# Altium PCB 2024001 A Soutra Plainsong Metronome_PCB.PcbDoc (part 1 of 2) (continued)
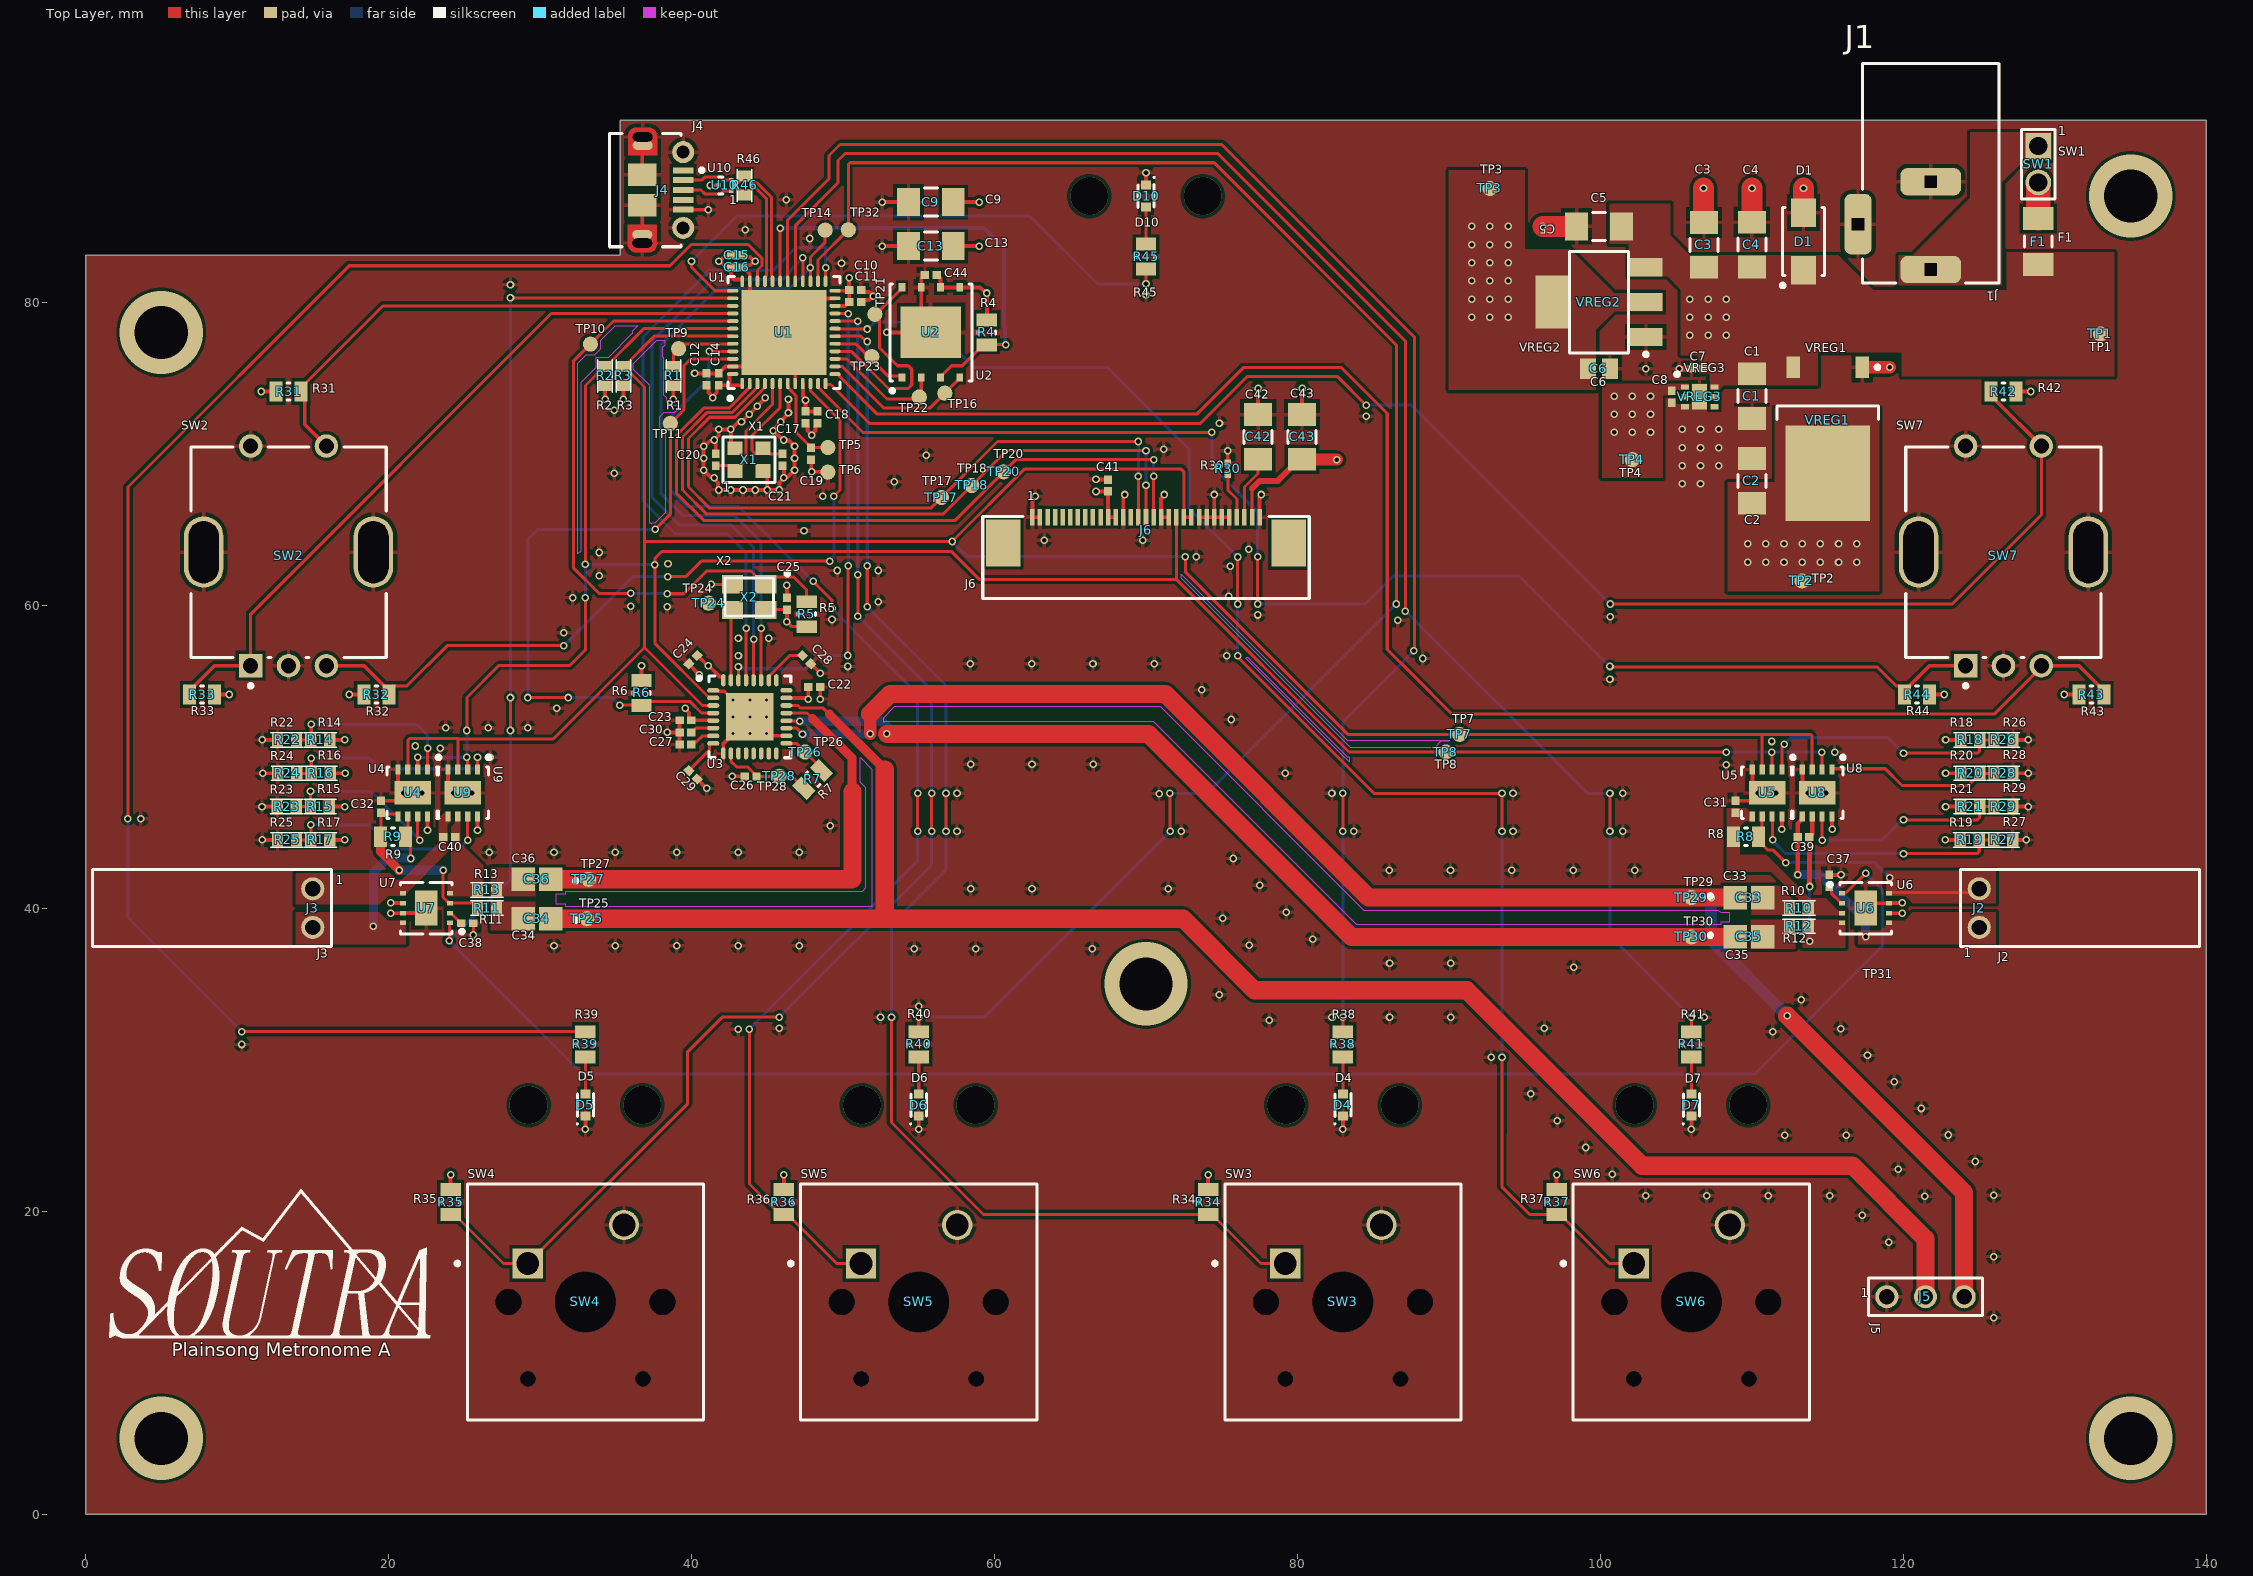
[diagram p0: Top Layer view]
## Components (designator, comment, footprint, x,y, rotation, side; value= is the part's Value field where it differs from the comment) (continued)
TP17 "TP_CIRCLE_R1" TP_CIRCLE_R1#1 56.5,67.1 r0 top
TP18 "TP_CIRCLE_R1" TP_CIRCLE_R1#1 58.5,67.9 r0 top
TP19 "TP_CIRCLE_R1" TP_CIRCLE_R1#2 60.6,78.4 r0 top
TP20 "TP_CIRCLE_R1" TP_CIRCLE_R1#1 60.6,68.8 r90 top
TP21 "TP_CIRCLE_R1" TP_CIRCLE_R1#1 52.1,79.2 r0 top
TP22 "TP_CIRCLE_R1" TP_CIRCLE_R1#1 55.033,73.733 r0 top
TP23 "TP_CIRCLE_R1" TP_CIRCLE_R1#1 51.9,76.4 r90 top
TP24 "TP_CIRCLE_R1" TP_CIRCLE_R1#1 41.125,60.125 r90 top
TP25 "TP_CIRCLE_R1" TP_CIRCLE_R1#1 33.1,39.3 r0 top
TP26 "TP_CIRCLE_R1" TP_CIRCLE_R1#1 47.5,50.3 r0 top
TP27 "TP_CIRCLE_R1" TP_CIRCLE_R1#1 33.2,41.9 r0 top
TP28 "TP_CIRCLE_R1" TP_CIRCLE_R1#1 45.8,48.7 r90 top
TP29 "TP_CIRCLE_R1" TP_CIRCLE_R1#1 106,40.7 r0 top
TP30 "TP_CIRCLE_R1" TP_CIRCLE_R1#1 106,38.1 r0 top
TP31 "TP_CIRCLE_R1" TP_CIRCLE_R1#2 116.65,35.475 r0 top
TP32 "TP_CIRCLE_R1" TP_CIRCLE_R1#1 50.35,84.775 r90 top
U1 "STM32F401CBU7" UFQFPN50P700X700X60_HS-49L 46.1,78 r90 top
U2 "AT45DB641E-MHN-Y" QFN127P600X500X60_HS-9L 55.8,78 r90 top
U3 "" QFN50P500X500X80_HS-33M 43.85,52.625 r0 top
U4 "MCP4542T-103E/MF" DFN-MF8 21.6,47.6 r270 top
U5 "MCP4542T-103E/MF" DFN-MF8 111,47.6 r270 top
U6 "MAX9716ETA+T" TDFN300X300X80_HS-9L 117.5,40 r0 top
U7 "MAX9716ETA+T" TDFN300X300X80_HS-9L 22.5,40 r180 top
U8 "MCP4542T-103E/MF" DFN-MF8 114.3,47.6 r270 top
U9 "MCP4542T-103E/MF" DFN-MF8 24.9,47.6 r270 top
U10 "TPD2EUSB30ADRTR" DRT0003A 42.2,87.7 r180 top
VREG1 "TLE4284DV50ATMA1" TO252-3-11_L 115,71 r270 top
VREG2 "AZ1117CH-3.3TRG1" SOT230P700X180-4L 99.9,80 r180 top
VREG3 "AP7370-18FDC-7" U-DFN2020EP65P201X201X63_HS-7L 106.54,73.75 r0 top
X1 "MCSJK-7E-24.00-8-10-60-B-10" OSCSC1-85x1-55P2-55X2-05Y0-05_4MFR 43.8,69.6 r90 top value=24MHz
X2 "MCSJK-3N-12.288-3.3-50-C" X_MULTICOMP_MCSJK-3N-12.288-3.3-50-C 43.8,60.525 r180 top

## Footprints (in the part's own frame and the unit in brackets; to place one, negate y for a bottom-side part, rotate by r counter-clockwise, add the part's x,y. Pads: shape width x height; smd on the part's side, far side on the other; paste and mask are expansions set on the pad)
1050170001_USB-MICRO-B_V [mm] "USB, MICRO B, Body 7.491x4.695 mm, Pitch 0.65 mm"
  rect 0.4x1.35 smd mask+0.05: 1(-1.3,1.35) 2(-0.65,1.35) 3(0,1.35) 4(0.65,1.35) 5(1.3,1.35)
  round 1.45 hole 0.85 mask+0.05: 6(-2.5,1.35) 7(2.5,1.35)
  oval 0.625x1.325 hole 0.6 slot 1.3 at 90 deg copper offset 0.55,0 mask+0.05: 8(-3.5,-1.325)
  rect 1.5x1.9 smd mask+0.05: 9(-1,-1.35) 10(1,-1.35)
  oval 0.625x1.325 hole 0.6 slot 1.3 at 90 deg copper offset -0.55,0 mask+0.05: 11(3.5,-1.35)
  Top Layer region: -3.6,-0.375 -3.791,-0.413 -3.954,-0.521 -4.062,-0.684 -4.1,-0.875 -4.1,-0.875 -4.1,-1.8 -4.064,-1.982 -3.961,-2.136 -3.807,-2.239 -3.625,-2.275 -3.625,-2.275 -2.3,-2.275 -2.3,-0.375
  Top Layer region: 3.6,-2.3 3.85,-2.233 4.033,-2.05 4.1,-1.8 4.1,-1.8 4.1,-0.875 4.064,-0.693 3.961,-0.539 3.807,-0.436 3.625,-0.4 3.625,-0.4 2.3,-0.4 2.3,-2.3
  Layer 1 region: -3.6,-0.375 -3.791,-0.413 -3.954,-0.521 -4.062,-0.684 -4.1,-0.875 -4.1,-0.875 -4.1,-1.8 -4.064,-1.982 -3.961,-2.136 -3.807,-2.239 -3.625,-2.275 -3.625,-2.275 -2.3,-2.275 -2.3,-0.375
  Layer 1 region: 3.6,-2.3 3.85,-2.233 4.033,-2.05 4.1,-1.8 4.1,-1.8 4.1,-0.875 4.064,-0.693 3.961,-0.539 3.807,-0.436 3.625,-0.4 3.625,-0.4 2.3,-0.4 2.3,-2.3
  Layer 2 region: -3.6,-0.375 -3.791,-0.413 -3.954,-0.521 -4.062,-0.684 -4.1,-0.875 -4.1,-0.875 -4.1,-1.8 -4.064,-1.982 -3.961,-2.136 -3.807,-2.239 -3.625,-2.275 -3.625,-2.275 -2.3,-2.275 -2.3,-0.375
  Layer 2 region: 3.6,-2.3 3.85,-2.233 4.033,-2.05 4.1,-1.8 4.1,-1.8 4.1,-0.875 4.064,-0.693 3.961,-0.539 3.807,-0.436 3.625,-0.4 3.625,-0.4 2.3,-0.4 2.3,-2.3
  Bottom Layer region: -3.6,-0.375 -3.791,-0.413 -3.954,-0.521 -4.062,-0.684 -4.1,-0.875 -4.1,-0.875 -4.1,-1.8 -4.064,-1.982 -3.961,-2.136 -3.807,-2.239 -3.625,-2.275 -3.625,-2.275 -2.3,-2.275 -2.3,-0.375
  Bottom Layer region: 3.6,-2.3 3.85,-2.233 4.033,-2.05 4.1,-1.8 4.1,-1.8 4.1,-0.875 4.064,-0.693 3.961,-0.539 3.807,-0.436 3.625,-0.4 3.625,-0.4 2.3,-0.4 2.3,-2.3
  silkscreen extent -3.75,-3.5 3.75,2.7, body extent -4.1,-3.9 4.1,1.5, height 2.67
AMP-TE_3-1734592-1 [mm]
  rect 0.3x1.1 smd: 1(-7.5,2.3) 2(-7,2.3) 3(-6.5,2.3) 4(-6,2.3) 5(-5.5,2.3) 6(-5,2.3) 7(-4.5,2.3) 8(-4,2.3) 9(-3.5,2.3) 10(-3,2.3) 11(-2.5,2.3) 12(-2,2.3) 13(-1.5,2.3) 14(-1,2.3) 15(-0.5,2.3) 16(0,2.3) 17(0.5,2.3) 18(1,2.3) 19(1.5,2.3) 20(2,2.3) 21(2.5,2.3) 22(3,2.3) 23(3.5,2.3) 24(4,2.3) 25(4.5,2.3) 26(5,2.3) 27(5.5,2.3) 28(6,2.3) 29(6.5,2.3) 30(7,2.3) 31(7.5,2.3)
  rect 2.3x3.1 smd: 32(-9.42,0.6) 33(9.42,0.6)
  silkscreen extent -10.78,-3.08 10.78,2.36, body extent -10.49,-2.96 10.44,2.15, height 2.05
BOURNS_PEC12R-4220F-S0024 [mm]
  round 1.55 hole 1 paste-2539.97 mask+0: 1(-2.5,7) 2(2.5,7) B(2.5,-7.5) C(0,-7.5)
  rrect100% 2.6x4.7 hole 4.1 slot 2 at 0 deg paste-2539.97 mask+0: 3(-5.6,0) 4(5.6,0)
  rect 1.55x1.55 hole 1 paste-2539.97 mask+0: A(-2.5,-7.5)
  silkscreen extent -6.45,-8.95 6.45,6.95, body extent -7,-8.37 7,7.88, height 0.25
CAPC1005X06L [mm] "Chip Capacitor, 2-Leads, Body 1.00x0.50mm, IPC High Density"
  rect 0.56x0.52 smd mask+0.05: 1(-0.39,0) 2(0.39,0)
  body extent -0.53,-0.28 0.53,0.28, height 0.55
CAPC2012X14L [mm] "Chip Capacitor, 2-Leads, Body 2.00x1.25mm, IPC High Density"
  rect 1.05x1.35 smd mask+0.05: 1(-0.725,0) 2(0.725,0)
  body extent -1.1,-0.72 1.1,0.72, height 1.45
CAPC2113X120X50ML20T30 [mm] "Chip Capacitor, 2-Leads, Body 2.05x1.25mm, IPC Low Density"
  rect 1.55x1.55 smd mask+0.05: 1(-0.9,0) 2(0.9,0)
  silkscreen extent -2.67,-0.02 -2.42,0.22, body extent -1.13,-0.72 1.12,0.72, height 1.2
CC1206-IPC_A [mm]
  rect 1.505x1.858 smd paste+0 mask+0: 1(-1.476,0) 2(1.476,0)
  silkscreen extent -0.42,-0.93 0.42,0.93, body extent -2.73,-1.43 2.73,1.43, height 0.25
CHERRY_MX1A-11NW [mm]
  rect 2x2 hole 1.499 paste-2539.97: 1(-3.81,2.54)
  round 2 hole 1.499 paste-2539.97: 2(2.54,5.08)
  round 0 hole 3.988 unplated paste-2539.97: MH1(0,0)
  round 0 hole 1.702 unplated paste-2539.97: MH2(-5.08,0) MH3(5.08,0)
  round 0 hole 1 unplated paste-2539.97: MH3(-3.8,-5.075) MH3(3.8,-5.075)
  silkscreen extent -8.57,-7.8 7.8,7.8, body extent -7.88,-7.78 7.72,7.82, height 14.94
DFN-MF8 [mm] "SON, 8-Leads, Body 3x3mm, Pitch 0.65mm, Microchip Recommended"
  rect 0.65x0.35 smd mask+0.05: 1(-1.55,0.975) 2(-1.55,0.325) 3(-1.55,-0.325) 4(-1.55,-0.975) 5(1.55,-0.975) 6(1.55,-0.325) 7(1.55,0.325) 8(1.55,0.975)
  rect 1.55x2.4 smd mask+0.05: 9(0,0)
  silkscreen extent -2.47,-1.7 1.7,1.83, body extent -1.55,-1.55 1.55,1.55, height 1
DIOC_0603_1706X06L [mm] "Chip Diode, 2-Leads, Body 1.70x0.60mm, IPC High Density"
  rect 0.6x0.65 smd mask+0.05: 1(-0.725,0) 2(0.725,0)
  silkscreen extent -1.29,-0.53 0.75,0.59, body extent -0.85,-0.3 0.85,0.3, height 0.6
DRT0003A [mm] "SOTFL, 3-Leads, Body 1x1mm (inc leads), Pitch 0.35mm"
  rrect33% 0.3x0.3 smd: 1(-0.425,0.35) 2(-0.425,-0.35) 3(0.425,0)
  silkscreen extent 0.13,-0.55 0.43,0.55, body extent -0.5,-0.5 0.5,0.5, height 0.5
FUSE_3216X08L [mm] "Chip Fuse, 2-Leads, Body 3.20x1.60mm, IPC High Density"
  rect 1.52x2.03 smd: 1(-1.52,0) 2(1.52,0)
  silkscreen extent -0.35,-0.92 0.35,0.91, body extent -1.7,-0.9 1.7,0.9, height 0.8
J_GENERIC_PIN-HEADER_2.54_1X3 [mil]
  round 60 hole 40: 1(-100.39,0) 2(0,0) 3(100.39,0)
  silkscreen extent -149,-49 149,49
J_MOLEX_22-05-7028 [mm]
  round 1.524 hole 1: 1(-1.275,0) 2(1.275,0)
  silkscreen extent -2.54,-14.53 2.54,1.22, body extent -2.54,-14.41 2.54,0.33, height 5.87
OSCSC1-85x1-55P2-55X2-05Y0-05_4MFR [mm]
  rect 0.9x1 smd: 1(-0.75,0.925) 2(-0.75,-0.925) 3(0.75,-0.925) 4(0.75,0.925)
  silkscreen extent -1.5,-1.73 1.5,1.73, body extent -1.05,-1.3 1.05,1.3, height 0.61
QFN50P500X500X80_HS-33M [mm] "QFN, 32-Leads, Body 5.00x5.00mm, Pitch 0.50mm, Thermal Pad 3.15x3.15mm, IPC Low Density"
  oval 0.8x0.3 smd mask+0.05: 1(-2.415,1.75) 2(-2.415,1.25) 3(-2.415,0.75) 4(-2.415,0.25) 5(-2.415,-0.25) 6(-2.415,-0.75) 7(-2.415,-1.25) 8(-2.415,-1.75) 17(2.415,-1.75) 18(2.415,-1.25) 19(2.415,-0.75) 20(2.415,-0.25) 21(2.415,0.25) 22(2.415,0.75) 23(2.415,1.25) 24(2.415,1.75)
  oval 0.3x0.8 smd mask+0.05: 9(-1.75,-2.415) 10(-1.25,-2.415) 11(-0.75,-2.415) 12(-0.25,-2.415) 13(0.25,-2.415) 14(0.75,-2.415) 15(1.25,-2.415) 16(1.75,-2.415) 25(1.75,2.415) 26(1.25,2.415) 27(0.75,2.415) 28(0.25,2.415) 29(-0.25,2.415) 30(-0.75,2.415) 31(-1.25,2.415) 32(-1.75,2.415)
  rect 3.15x3.15 smd mask+0.05: 33(0,0)
  silkscreen extent -3.47,-2.7 2.7,2.7, body extent -2.6,-2.6 2.6,2.6, height 0.8
QFN127P600X500X60_HS-9L [mm] "QFN, 8-Leads, Body 6.00x5.00mm, Pitch 1.27mm, Thermal Pad 3.40x4.00mm, IPC High Density"
  rect 0.55x0.45 smd: 1(-2.975,1.905) 2(-2.975,0.635) 3(-2.975,-0.635) 4(-2.975,-1.905) 5(2.975,-1.905) 6(2.975,-0.635) 7(2.975,0.635) 8(2.975,1.905)
  rect 3.4x4 smd: 9(0,0)
  silkscreen extent -3.97,-2.7 3.2,2.7, body extent -3.1,-2.55 3.1,2.55, height 0.6
RESC_0402_1005X40X25LL05T10 [mm] "Chip Resistor, 2-Leads, Body 1.00x0.50mm, IPC High Density"
  rect 0.5x0.45 smd mask+0.05: 1(-0.375,0) 2(0.375,0)
  body extent -0.53,-0.27 0.53,0.28, height 0.4
RESC_0603_1608X06L [mm] "Chip Resistor, 2-Leads, Body 1.60x0.83mm, IPC High Density"
  rect 0.75x0.85 smd mask+0.05: 1(-0.625,0) 2(0.625,0)
  silkscreen extent -1.07,-0.48 1.07,0.48, body extent -0.85,-0.48 0.85,0.48, height 0.55
RESC_0805_2013X50X30LL20T20 [mm] "Chip Resistor, 2-Leads, Body 2.00x1.25mm, IPC High Density"
  rect 0.85x1.35 smd mask+0.05: 1(-0.825,0) 2(0.825,0)
  silkscreen extent -0.1,-0.58 0.1,0.58, body extent -1.1,-0.72 1.1,0.72, height 0.5
SODFL511X229-2N [mm] "SODFL, 2-Leads, Body 2.67x5.11mm, IPC Medium Density"
  rect 1.9x1.65 smd: 1(-1.9,0) 2(1.9,0)
  silkscreen extent -3.02,-1.4 2.25,1.5, body extent -2.55,-1.4 2.55,1.4, height 2.29
SOT230P700X180-4L [mm] "SOT223, 4-Leads, Body 6.50x7.00mm (avg), Pitch 2.30mm, IPC High Density"
  rect 2.2x1.2 smd: 1(-3.1,2.3) 2(-3.1,0) 3(-3.1,-2.3)
  rect 2.2x3.5 smd: 4(3.1,0)
  silkscreen extent -3.22,-3.35 1.95,3.57, body extent -3.5,-3.35 3.5,3.35, height 1.8
SW_PTH-Wire-to-Board-D1.2 [mm]
  rect 1.7x1.7 hole 1.2: 1(-1.2,0)
  round 1.7 hole 1.2: 2(1.2,0)
  silkscreen extent -2.3,-1.1 2.3,1.1
TDFN300X300X80_HS-9L [mm] "TDFN, 8-Leads, Body 3.00x3.00mm, Pitch 0.65mm, Thermal Pad 1.50x2.30mm, IPC High Density"
  rect 0.4x0.3 smd mask+0.05: 1(-1.55,0.975) 2(-1.55,0.325) 3(-1.55,-0.325) 4(-1.55,-0.975) 5(1.55,-0.975) 6(1.55,-0.325) 7(1.55,0.325) 8(1.55,0.975)
  rect 1.5x2.3 smd mask+0.05: 9(0,0)
  silkscreen extent -2.47,-1.7 1.7,1.7, body extent -1.6,-1.55 1.6,1.55, height 0.8
TO252-3-11_L [mm] "DPAK, 3-Leads, Body 6.5x6.12mm, Pitch 2.28mm, IPC High Density"
  rect 1.45x0.9 smd: 1(-4.7,2.28) 3(-4.7,-2.28)
  rect 6.3x5.55 smd: 2(2.3,0)
  silkscreen extent -4.82,-3.35 -1.25,3.41, body extent -2.15,-3.32 4.07,3.32, height 2.35
TP_CIRCLE_R1#1 [mm]
  round 1 smd mask+0.05: 1(0,0)
TP_CIRCLE_R1#2 [mm]
  round 1 smd far side mask+0.05: 1(0,0)
U-DFN2020EP65P201X201X63_HS-7L [mm] "U-DFN2020EP, 6-Leads, Body 2.01x2.01mm, Pitch 0.65mm, Thermal Pad 1.01x1.70mm, IPC High Density"
  rect 0.525x0.35 smd mask+0.05: 1(-0.975,0.65) 2(-0.975,0) 3(-0.975,-0.65) 4(0.975,-0.65) 5(0.975,0) 6(0.975,0.65)
  rect 1.01x1.7 smd mask+0.05: 7(0,0)
  silkscreen extent -1.61,1.37 -1.36,1.61, body extent -1.09,-1.04 1.09,1.04, height 0.63
UFQFPN50P700X700X60_HS-49L [mm] "UFQFPN, 48-Leads, Body 7.00x7.00mm, Pitch 0.50mm, Thermal Pad 5.60x5.60mm, IPC High Density"
  oval 0.75x0.25 smd mask+0.05: 1(-3.375,2.75) 2(-3.375,2.25) 3(-3.375,1.75) 4(-3.375,1.25) 5(-3.375,0.75) 6(-3.375,0.25) 7(-3.375,-0.25) 8(-3.375,-0.75) 9(-3.375,-1.25) 10(-3.375,-1.75) 11(-3.375,-2.25) 12(-3.375,-2.75) 25(3.375,-2.75) 26(3.375,-2.25) 27(3.375,-1.75) 28(3.375,-1.25) 29(3.375,-0.75) 30(3.375,-0.25) 31(3.375,0.25) 32(3.375,0.75) 33(3.375,1.25) 34(3.375,1.75) 35(3.375,2.25) 36(3.375,2.75)
  oval 0.25x0.75 smd mask+0.05: 13(-2.75,-3.375) 14(-2.25,-3.375) 15(-1.75,-3.375) 16(-1.25,-3.375) 17(-0.75,-3.375) 18(-0.25,-3.375) 19(0.25,-3.375) 20(0.75,-3.375) 21(1.25,-3.375) 22(1.75,-3.375) 23(2.25,-3.375) 24(2.75,-3.375) 37(2.75,3.375) 38(2.25,3.375) 39(1.75,3.375) 40(1.25,3.375) 41(0.75,3.375) 42(0.25,3.375) 43(-0.25,3.375) 44(-0.75,3.375) 45(-1.25,3.375) 46(-1.75,3.375) 47(-2.25,3.375) 48(-2.75,3.375)
  rect 5.6x5.6 smd mask+0.05: 49(0,0)
  silkscreen extent -4.47,-3.7 3.7,3.7, body extent -3.6,-3.6 3.6,3.6, height 0.6
WURTH_694106301002 [mm]
  rrect50% 4x1.8 hole 0.8 square: 1(0,6.35) 2(0,0.55)
  rrect50% 1.8x4 hole 0.8 square: 3(4.8,3.35)
  silkscreen extent -4.5,-7.25 4.5,7.25, body extent -4.5,-7.25 5,7.25, height 10.75
X_MULTICOMP_MCSJK-3N-12.288-3.3-50-C [mm]
  rect 1.4x1.2 smd: 1(-1.1,-0.85) 2(1.1,-0.85) 3(1.1,0.85) 4(-1.1,0.85)
  silkscreen extent -2.65,-1.67 1.6,1.25

## Part data
C1 C2 C5: "Cap, 10Uf, 25V, Mlcc, 1206 Rohs Compliant: Yes", Manufacturer="Walsin Technologies", Supplier Part Number 1=3764170, Manufacturer Part Number=1206B106K250CP, Pricing 1="5=0.114, 50=0.11, 250=0.098, 500=0.096, 1000=0.094 (GBP)", RoHS=No, Stock 1=1410, Supplier 1=Farnell
C3 C4 C9 C13 C42 C43: "Ceramic Capacitor, Multilayer, Ceramic, 25V, 10% +Tol, 10% -Tol, X7R, 15% TC, 4.7uF, Surface Mount, 1206", Capacitor Type=Ceramic, Case/Package=1206, Manufacturer=Samsung, Max Operating Temperature=125°C, Min Operating Temperature=-55°C, Package Shape=Rectangular, Package Style=SMTMeter, Rated DC Voltage (URdc)=25V, Supplier Part Number=1276-1055-1-ND, Supplier Part Number 1=3013532, Temperature Characteristics Code=X7R, Tolerance  (fill in as +-)=10%, Category="Ceramic Capacitors", ComponentLink1Description=https://datasheet.ciiva.com:443/pdfs/VipMasterIC/IC/SEMS/SEMS-S-A0008522756/SEMS-S-A0008522493-1.pdf?src-supplier=IHS+Markit, ComponentLink1URL=https://datasheet.ciiva.com:443/pdfs/VipMasterIC/IC/SEMS/SEMS-S-A0008522756/SEMS-S-A0008522493-1.pdf?src-supplier=IHS+Markit, ComponentLink2Description=https://datasheet.ciiva.com/25728/cl31b475kahnnne-25728538.pdf?src-supplier=Digikey, ComponentLink2URL=https://datasheet.ciiva.com/25728/cl31b475kahnnne-25728538.pdf?src-supplier=Digikey, ComponentLink3Description=https://datasheet.ciiva.com/29200/452772-da-01-en-vs-kondensator-1206-29200897.pdf?src-supplier=Conrad, ComponentLink3URL=https://datasheet.ciiva.com/29200/452772-da-01-en-vs-kondensator-1206-29200897.pdf?src-supplier=Conrad, ComponentLink4Description=https://datasheet.ciiva.com/29200/452785-da-01-en-vs-kondensator-1206-29200901.pdf?src-supplier=Conrad, ComponentLink4URL=https://datasheet.ciiva.com/29200/452785-da-01-en-vs-kondensator-1206-29200901.pdf?src-supplier=Conrad, ComponentLink5Description=https://datasheet.ciiva.com/26310/mlcc-catalogdownload2013-eng-26310092.pdf?src-supplier=Distrelec, ComponentLink5URL=https://datasheet.ciiva.com/26310/mlcc-catalogdownload2013-eng-26310092.pdf?src-supplier=Distrelec, ComponentLink6Description=https://datasheet.ciiva.com/16428/cl10c1r5bb8nnnc-16428942.pdf?src-supplier=Future+Electronics, ComponentLink6URL=https://datasheet.ciiva.com/16428/cl10c1r5bb8nnnc-16428942.pdf?src-supplier=Future+Electronics, Dielectric Material=Ceramic, Height=1.8mm, JESD-609 Code=e3, Length=3.2mm, Manufacturer Part Number=CL31B475KAHNNNE, Mounting Technology="Surface Mount", Multilayer=Yes, Packaging="Tape and Reel", Pins=2, Pricing="1=0.18, 10=0.116, 50=0.0732, 100=0.0585, 500=0.04228, 1000=0.0374 (USD)", Pricing 1="5=0.08, 50=0.05", Reach SVHC Compliant=Yes, RoHS=Yes, RoHS Compliant=Yes, Stock=245034, Supplier=Digikey, Supplier 1=Farnell, Terminal Finish=Nickel, Termination=Wraparound, Tolerance (fill in as +-)=10%, Width=1.6mm
C6: "SMD Multilayer Ceramic Capacitor, 22 µF, 10 V, 0805 [2012 Metric], ± 20%, X5R, GRM Series", Alternative Part Manufacturer=TDK, Alternative Part Supplier Part Number=2525131, Alternative Supplier Part Number=490-10511-1-ND, Supplier Part Number 1=2494270, Alternative Part=C2012X5R1A226M125AB, Alternative Part Supplier=Farnell, Alternative Supplier=Digikey, Pricing 1="5=0.192, 50=0.09", Pricing 2="1=0.22, 10=0.14, 50=0.09, 100=0.07", Stock 1=79616, Supplier 1=Farnell
C7 C8 C18 C22 C23 C24 C26 C27 C28 C29 C37 C38 C41: "Ceramic Capacitor, Multilayer, Ceramic, 10V, 10% +Tol, 10% -Tol, X5R, 15% TC, 1uF, Surface Mount, 0402", Alternative Part Manufacturer="KYOCERA AVX", Alternative Part Supplier Part Number=1740588, Capacitor Type=Ceramic, Case/Package=0402, Manufacturer=Yageo, Max Operating Temperature=85°C, Min Operating Temperature=-55°C, Package Shape=Rectangular, Package Style=SMTMeter, Rated DC Voltage (URdc)=10V, Supplier Part Number=1458896, Supplier Part Number 1=311-1439-1-ND, Temperature Characteristics Code=X5R, Tolerance  (fill in as +-)=10%, Alternative Part=0402ZD105KAT2A, Alternative Part Supplier=Farnell, Category="Ceramic Capacitors", ComponentLink1Description=https://datasheet.ciiva.com:443/pdfs/VipMasterIC/IC/YAGO/YAGO-S-A0006851646/YAGO-S-A0006851646-1.pdf?src-supplier=IHS+Markit, ComponentLink1URL=https://datasheet.ciiva.com:443/pdfs/VipMasterIC/IC/YAGO/YAGO-S-A0006851646/YAGO-S-A0006851646-1.pdf?src-supplier=IHS+Markit, ComponentLink2Description=https://datasheet.ciiva.com/176/upy-gphc-x5r-4v-to-50v-12-176704.pdf?src-supplier=Digi-Key, ComponentLink2URL=https://datasheet.ciiva.com/176/upy-gphc-x5r-4v-to-50v-12-176704.pdf?src-supplier=Digi-Key, ComponentLink3Description=https://datasheet.ciiva.com/176/mlccorderingcode-176705.pdf?src-supplier=Digi-Key, ComponentLink3URL=https://datasheet.ciiva.com/176/mlccorderingcode-176705.pdf?src-supplier=Digi-Key, ComponentLink4Description=https://datasheet.ciiva.com/176/mlccorderingcode-176706.pdf?src-supplier=Digi-Key, ComponentLink4URL=https://datasheet.ciiva.com/176/mlccorderingcode-176706.pdf?src-supplier=Digi-Key, Dielectric Material=Ceramic, Height=0.5mm, JESD-609 Code=e3, Length=1mm, Manufacturer Part Number=CC0402KRX5R6BB105, Mounting Technology="Surface Mount", Multilayer=Yes, Packaging="Tape and Reel", Pins=2, Pricing="10=0.039, 100=0.023", Pricing 1="1=0.08, 10=0.058, 50=0.034, 100=0.027", Reach SVHC Compliant=Yes, RoHS=Yes, RoHS Compliant=Yes, Stock=12220000, Supplier=Farnell, Supplier 1=Digikey, Terminal Finish=Nickel, Termination=Wraparound, Tolerance (fill in as +-)=10%, Width=0.5mm
C10 C11 C12 C14 C15 C16 C17 C19 C25 C44: "Ceramic Capacitor, Multilayer, Ceramic, 16V, 20% +Tol, 20% -Tol, X5R, 15% TC, 0.1uF, Surface Mount, 0402", Alternative Part Manufacturer=WURTH, Alternative Part Supplier Part Number=2533933, Capacitor Type=Ceramic, Case/Package=0402, Manufacturer="Walsin Technologies", Max Operating Temperature=85°C, Min Operating Temperature=-55°C, Package Shape=Rectangular, Package Style=SMTMeter, Rated DC Voltage (URdc)=16V, Supplier Part Number=2524808, Supplier Part Number 1=1292-0402X104M160CT-ND, Temperature Characteristics Code=X5R, Tolerance  (fill in as +-)=20%, Alternative Part=885012105016, Alternative Part Supplier=Farnell, Category="Ceramic Capacitors", ComponentLink1Description=https://datasheet.ciiva.com:443/pdfs/VipMasterIC/IC/WATC/WATC-S-A0009550342/WATC-S-A0009550342-1.pdf?src-supplier=IHS+Markit, ComponentLink1URL=https://datasheet.ciiva.com:443/pdfs/VipMasterIC/IC/WATC/WATC-S-A0009550342/WATC-S-A0009550342-1.pdf?src-supplier=IHS+Markit, ComponentLink2Description=http://www.farnell.com/datasheets/2009679.pdf?src-supplier=Farnell, ComponentLink2URL=http://www.farnell.com/datasheets/2009679.pdf?src-supplier=Farnell, ComponentLink3Description=http://www.farnell.com/datasheets/2340522.pdf?src-supplier=Farnell, ComponentLink3URL=http://www.farnell.com/datasheets/2340522.pdf?src-supplier=Farnell, ComponentLink4Description=https://datasheet.octopart.com/0402X104M160CT-Walsin-Technologies-datasheet-85392065.pdf?src-supplier=Element14, ComponentLink4URL=https://datasheet.octopart.com/0402X104M160CT-Walsin-Technologies-datasheet-85392065.pdf?src-supplier=Element14, ComponentLink5Description=https://datasheet.octopart.com/0402X104M160CT-Walsin-Technologies-datasheet-136037192.pdf?src-supplier=TECHDesign, ComponentLink5URL=https://datasheet.octopart.com/0402X104M160CT-Walsin-Technologies-datasheet-136037192.pdf?src-supplier=TECHDesign, Dielectric Material=Ceramic, Height=0.5mm, JESD-609 Code=e3, Length=1mm, Manufacturer Part Number=0402X104M160CT, Mounting Technology="Surface Mount", Multilayer=Yes, Packaging="Tape and Reel", Pins=2, Pricing="10=0.0047, 100=0.0043", Pricing 1="1=0.08, 10=0.023, 50=0.013, 100=0.01", Reach SVHC Compliant=Yes, RoHS=Yes, RoHS Compliant=Yes, Stock=1101, Supplier=Farnell, Supplier 1=Digikey, Terminal Finish=Nickel, Termination=Wraparound, Tolerance (fill in as +-)=20%, Width=0.5mm
C20 C21: "Ceramic Capacitor, Multilayer, Ceramic, 50V, 5% +Tol, 5% -Tol, C0G, -/+30ppm/Cel TC, 0.000005uF, Surface Mount, 0402", Alternative Part Manufacturer=Murata, Alternative Part Supplier Part Number=3346199, Capacitor Type=Ceramic, Case/Package=0402, Manufacturer=Yageo, Max Operating Temperature=125°C, Min Operating Temperature=-55°C, Package Shape=Rectangular, Rated DC Voltage (URdc)=50V, Supplier Part Number 1=3369083, Temperature Characteristics Code=C0G, Tolerance  (fill in as +-)=5%, Alternative Part=GJM1555C1H5R0CB01D, Alternative Part Supplier=Farnell, Category="Ceramic Capacitors", ComponentLink1Description=https://datasheet.ciiva.com:443/pdfs/VipMasterIC/IC/YAGO/YAGOS02763/YAGOS02763-1.pdf?src-supplier=IHS+Markit, ComponentLink1URL=https://datasheet.ciiva.com:443/pdfs/VipMasterIC/IC/YAGO/YAGOS02763/YAGOS02763-1.pdf?src-supplier=IHS+Markit, ComponentLink2Description=https://datasheet.ciiva.com/144/mlccorderingcode-144574.pdf?src-supplier=Digikey, ComponentLink2URL=https://datasheet.ciiva.com/144/mlccorderingcode-144574.pdf?src-supplier=Digikey, ComponentLink3Description=https://datasheet.ciiva.com/144/mlccorderingcode-144575.pdf?src-supplier=Digikey, ComponentLink3URL=https://datasheet.ciiva.com/144/mlccorderingcode-144575.pdf?src-supplier=Digikey, ComponentLink4Description=https://datasheet.ciiva.com/26862/getdatasheetpartid-703288-26862583.pdf?src-supplier=Verical, ComponentLink4URL=https://datasheet.ciiva.com/26862/getdatasheetpartid-703288-26862583.pdf?src-supplier=Verical, ComponentLink5Description=https://datasheet.ciiva.com/144/mlccorderingcode-144576.pdf?src-supplier=Digikey, ComponentLink5URL=https://datasheet.ciiva.com/144/mlccorderingcode-144576.pdf?src-supplier=Digikey, Dielectric Material=Ceramic, JESD-609 Code=e3, Manufacturer Part Number=CC0402CRNPO9BN5R0, Mounting Technology="Surface Mount", Multilayer=Yes, Packaging="Tape and Reel", Pins=2, Pricing 1="10=0.014, 100=0.008", Pricing 2="1=0.08, 10=0.017, 50=0.009, 100=0.007", Reach SVHC Compliant=Yes, RoHS=Yes, RoHS Compliant=Yes, Stock 1=8005, Stock 2=7538, Supplier 1=Farnell, Supplier 2=Digikey, Supplier Part Number 2=311-1010-1-ND, Terminal Finish=Nickel, Termination=Wraparound, Tolerance (fill in as +-)=5%
C30: "Ceramic Capacitor, Multilayer, Ceramic, 6.3V, 20% +Tol, 20% -Tol, X5R, 15% TC, 2.2uF, Surface Mount, 0402", Alternative Part Supplier Part Number=1759376, Capacitor Type=Ceramic, Case/Package=0402, Manufacturer=Yageo, Max Operating Temperature=85°C, Min Operating Temperature=-55°C, Package Shape=Rectangular, Package Style=SMTMeter, Rated DC Voltage (URdc)=6.3V, Supplier Part Number 1=3369189, Temperature Characteristics Code=X5R, Tolerance  (fill in as +-)=20%, Alternative Part=MC0402X225M6R3CT, Alternative Part Supplier=Farnell, Category="Ceramic Capacitors", ComponentLink1Description=https://datasheet.ciiva.com:443/pdfs/VipMasterIC/IC/YAGO/YAGO-S-A0006851646/YAGO-S-A0006851646-1.pdf?src-supplier=IHS+Markit, ComponentLink1URL=https://datasheet.ciiva.com:443/pdfs/VipMasterIC/IC/YAGO/YAGO-S-A0006851646/YAGO-S-A0006851646-1.pdf?src-supplier=IHS+Markit, ComponentLink2Description=https://datasheet.ciiva.com/180/mlccorderingcode-180426.pdf?src-supplier=Digikey, ComponentLink2URL=https://datasheet.ciiva.com/180/mlccorderingcode-180426.pdf?src-supplier=Digikey, ComponentLink3Description=https://datasheet.ciiva.com/180/mlccorderingcode-180428.pdf?src-supplier=Digikey, ComponentLink3URL=https://datasheet.ciiva.com/180/mlccorderingcode-180428.pdf?src-supplier=Digikey, ComponentLink4Description=https://datasheet.ciiva.com/180/mlccorderingcode-180427.pdf?src-supplier=Digikey, ComponentLink4URL=https://datasheet.ciiva.com/180/mlccorderingcode-180427.pdf?src-supplier=Digikey, Dielectric Material=Ceramic, Height=0.5mm, JESD-609 Code=e3, Length=1mm, Manufacturer Part Number=CC0402MRX5R5BB225, Mounting Technology="Surface Mount", Multilayer=Yes, Packaging="Tape and Reel", Pins=2, Pricing 1="10=0.0794, 100=0.0451", Pricing 2="1=0.09, 10=0.06, 50=0.038, 100=0.030", Reach SVHC Compliant=Yes, RoHS=Yes, RoHS Compliant=Yes, Stock 1=22402, Stock 2=156931, Suppler 2=Digikey, Supplier 1=Farnell, Supplier Part Number 2=311-1442-1-ND, Terminal Finish=Nickel, Termination=Wraparound, Tolerance (fill in as +-)=20%, Width=0.5mm
C31 C32 C39 C40: "Ceramic Capacitor, Multilayer, Ceramic, 50V, 10% +Tol, 10% -Tol, X7R, 15% TC, 0.00022uF, Surface Mount, 0402", Alternative Part Supplier Part Number=1758981, Capacitor Type=Ceramic, Case/Package=0402, Manufacturer=Yageo, Max Operating Temperature=125°C, Min Operating Temperature=-55°C, Package Shape=Rectangular, Package Style=SMTMeter, Rated DC Voltage (URdc)=50V, Supplier Part Number 1=4254872, Temperature Characteristics Code=X7R, Tolerance  (fill in as +-)=10%, Alternative Part=MC0402B221K500CT, Alternative Part Supplier=Farnell, Category="Ceramic Capacitors", ComponentLink1Description=https://datasheet.ciiva.com:443/pdfs/VipMasterIC/IC/YAGO/YAGO-S-A0003557223/YAGO-S-A0003557223-1.pdf?src-supplier=IHS+Markit, ComponentLink1URL=https://datasheet.ciiva.com:443/pdfs/VipMasterIC/IC/YAGO/YAGO-S-A0003557223/YAGO-S-A0003557223-1.pdf?src-supplier=IHS+Markit, ComponentLink2Description=https://datasheet.ciiva.com/13208/upy-gphc-x7r-6-3v-to-50v-8-12304-13208487.pdf?src-supplier=Mouser, ComponentLink2URL=https://datasheet.ciiva.com/13208/upy-gphc-x7r-6-3v-to-50v-8-12304-13208487.pdf?src-supplier=Mouser, Dielectric Material=Ceramic, Height=0.5mm, JESD-609 Code=e3, Length=1mm, Manufacturer Part Number=CC0402KPX7R9BB221, Mounting Technology="Surface Mount", Multilayer=Yes, Packaging="Tape and Reel", Pins=2, Pricing 1="10=0.0069, 500=0.0055, 2500=0.0042, 10000=0.003, 25000=0.0029, 50000=0.0028, 250000=0.0027, 500000=0.0026 (GBP)", Pricing 2="1=0.08, 10=0.016, 50=0.0092, 100=0.007", Reach SVHC Compliant=Yes, RoHS=Yes, RoHS Compliant=Yes, Stock 1=49750, Stock 2=333936, Supplier 1=Farnell, Supplier 2=Digikey, Supplier Part Number 2=311-1035-1-ND, Terminal Finish=Nickel, Termination=Wraparound, Tolerance (fill in as +-)=10%, Width=0.5mm
C33 C34 C35 C36: "Surface Mount Tantalum Capacitor, 2.2 µF, 16 V, 0805 [2012 Metric], ± 10%, 6.5 ohm, R", Manufacturer="AVX Interconnect / Elco", Supplier Part Number 1=2112773, Part Number=TAJR225K016RNJ, Pricing 1="5=0.3684, 50=0.2592", Stock 1=340, Supplier 1=Farnell
D1: "TVS Diode, TRANSZORB SMAJ, Bidirectional, 13 V, 21.5 V, DO-214AC (SMA), 2 Pins", Supplier Part Number 1=3530003, Pricing 1="5=0.168, 10=0.146, 100+0.122", Stock 1=8321, Supplier 1=Farnell
D4 D5 D6 D7 D10: "Led, Green, 70Mcd, 575Nm, 0603 Rohs Compliant: Yes", Alternative Part Manufacturer="AMS OSRAM GROUP", Alternative Part Supplier Part Number=2575345, Manufacturer=Multicomp, Supplier Part Number=3796313, Alternative Part="LG Q396-PS-35", Alternative Part Supplier=Farnell, Category=Uncategorized, Manufacturer Part Number=MP008282, Pricing="5=0.0713, 10=0.0611, 100=0.0476", RoHS=No, Stock=8324, Supplier=Farnell
F1: "MULTICOMP PRO MP001600Fuse, Surface Mount, 1.5 A, Fast Acting, 72 VDC, 1206 [3216 Metric]", Manufacturer=Multicomp, Supplier Part Number=3285103, Manufacturer Part Number=MP001600, Pricing="5=0.094, 50=0.0739, 250=0.0627, 500=0.0559, 1500=0.0459 (GBP)", RoHS=No, Stock=2998, Supplier=Farnell
J1: "Circular DC Power Connector", Manufacturer="Wurth Electronics", Supplier Part Number=2472149, Supplier Part Number 1=732-5930-ND, Category=Connectors, ComponentLink1Description=https://datasheet.ciiva.com:443/pdfs/VipMasterIC/IC/MIDC/MIDC-S-A0001193031/MIDC-S-A0001193031-1.pdf?src-supplier=IHS+Markit, ComponentLink1URL=https://datasheet.ciiva.com:443/pdfs/VipMasterIC/IC/MIDC/MIDC-S-A0001193031/MIDC-S-A0001193031-1.pdf?src-supplier=IHS+Markit, ComponentLink2Description=http://www.mouser.com/ds/2/445/6941xx303002-469289.pdf?src-supplier=Mouser, ComponentLink2URL=http://www.mouser.com/ds/2/445/6941xx303002-469289.pdf?src-supplier=Mouser, ComponentLink3Description=http://www.farnell.com/cad/2130963.pdf?src-supplier=Element14, ComponentLink3URL=http://www.farnell.com/cad/2130963.pdf?src-supplier=Element14, ComponentLink4Description=https://katalog.we-online.de/em/datasheet/6941xx303002.pdf?src-supplier=Digikey, ComponentLink4URL=https://katalog.we-online.de/em/datasheet/6941xx303002.pdf?src-supplier=Digikey, Connector Type=Circular,Power, Contact Finish - Mating="NOT SPECIFIED", Manufacturer Part Number=694103303002, Pricing="1=1.14, 10=0.84, 100=0.78", Pricing 1="1=0.81, 10=0.77, 50=0.68, 100=0.63", Reach SVHC Compliant=Yes, RoHS=Yes, RoHS Compliant=Yes, Stock=6324, Stock 1=11140, Supplier=Farnell, Supplier 1=Digikey
J2 J3: "Board Connector, 2 Contact(s), 1 Row(s), Male, Right Angle, 0.1 inch Pitch, Solder Terminal, Locking, Natural Insulator, Receptacle", Contact Resistance=10mR, Flammability Rating="UL94 V-0", Insulation Color=Natural, Insulation Resistance=1GR, Manufacturer=Molex, Max Operating Temperature=105°C, Min Operating Temperature=-40°C, Rated Current (Signal)=4A, Supplier Part Number 1=9731601, Body Breadth=0.228inch, Body Depth=0.568inch, Body Length=0.2inch, Body/Shell Style=RECEPTACLE, Category="Headers and Wire Housings", ComponentLink1Description=https://datasheet.ciiva.com:443/pdfs/VipMasterIC/IC/MOLE/MOLE-S-A0002841204/MOLE-S-A0002841204-1.pdf?src-supplier=IHS+Markit, ComponentLink1URL=https://datasheet.ciiva.com:443/pdfs/VipMasterIC/IC/MOLE/MOLE-S-A0002841204/MOLE-S-A0002841204-1.pdf?src-supplier=IHS+Markit, ComponentLink2Description=http://www.farnell.com/datasheets/2700806.pdf?src-supplier=Farnell, ComponentLink2URL=http://www.farnell.com/datasheets/2700806.pdf?src-supplier=Farnell, ComponentLink3Description=http://datasheet.octopart.com/22-05-7028-Molex-datasheet-10979095.pdf?src-supplier=Avnet, ComponentLink3URL=http://datasheet.octopart.com/22-05-7028-Molex-datasheet-10979095.pdf?src-supplier=Avnet, Connector Type="BOARD CONNECTOR", Contact Finish - Mating="TIN (200)", Contact Finish - Termination="Tin (Sn)", Contact Gender=Male, Contact Pattern=RECTANGULAR, Contact Style="SQ PIN-SKT", DIN Conformance=No, Durability=50Cycles, Filter Feature=No, IEC Conformance=No, Insertion Force-Max=1.946N, Insulation Material=Nylon, JESD-609 Code=e3, Manufacturer Part Number=22-05-7028, Mating Contact Pitch=0.1inch, Mating Information="MULTIPLE MATING PARTS AVAILABLE", MIL Conformance=No, Mixed Contacts=No, Mounting Option 1=LOCKING, Mounting Style="RIGHT ANGLE", Mounting Technology=Board, Number Of Connectors=1, Number of Contacts=2, Number Of PCB Rows=1, Number of Rows Loaded=1, Option="General Purpose", PCB Contact Pattern=RECTANGULAR, Plating Thickness=60uin, Polarization Key="POLARIZED HOUSING", Pricing 1="1=0.78, 10=0.64, 50=0.57, 100=0.50", Reach SVHC Compliant=Yes, Reference Standard=UL, Reliability=COMMERCIAL, RoHS=Yes, RoHS Compliant=Yes, Stock 1=34887, Supplier 1=Farnell, Terminal Length=0.15inch, Terminal Pitch=2.54mm, Termination=Solder, Withdrawl Force-Min=0.556N